# Altium PCB PCB_CAR.PcbDoc (part 3 of 3) (continued)
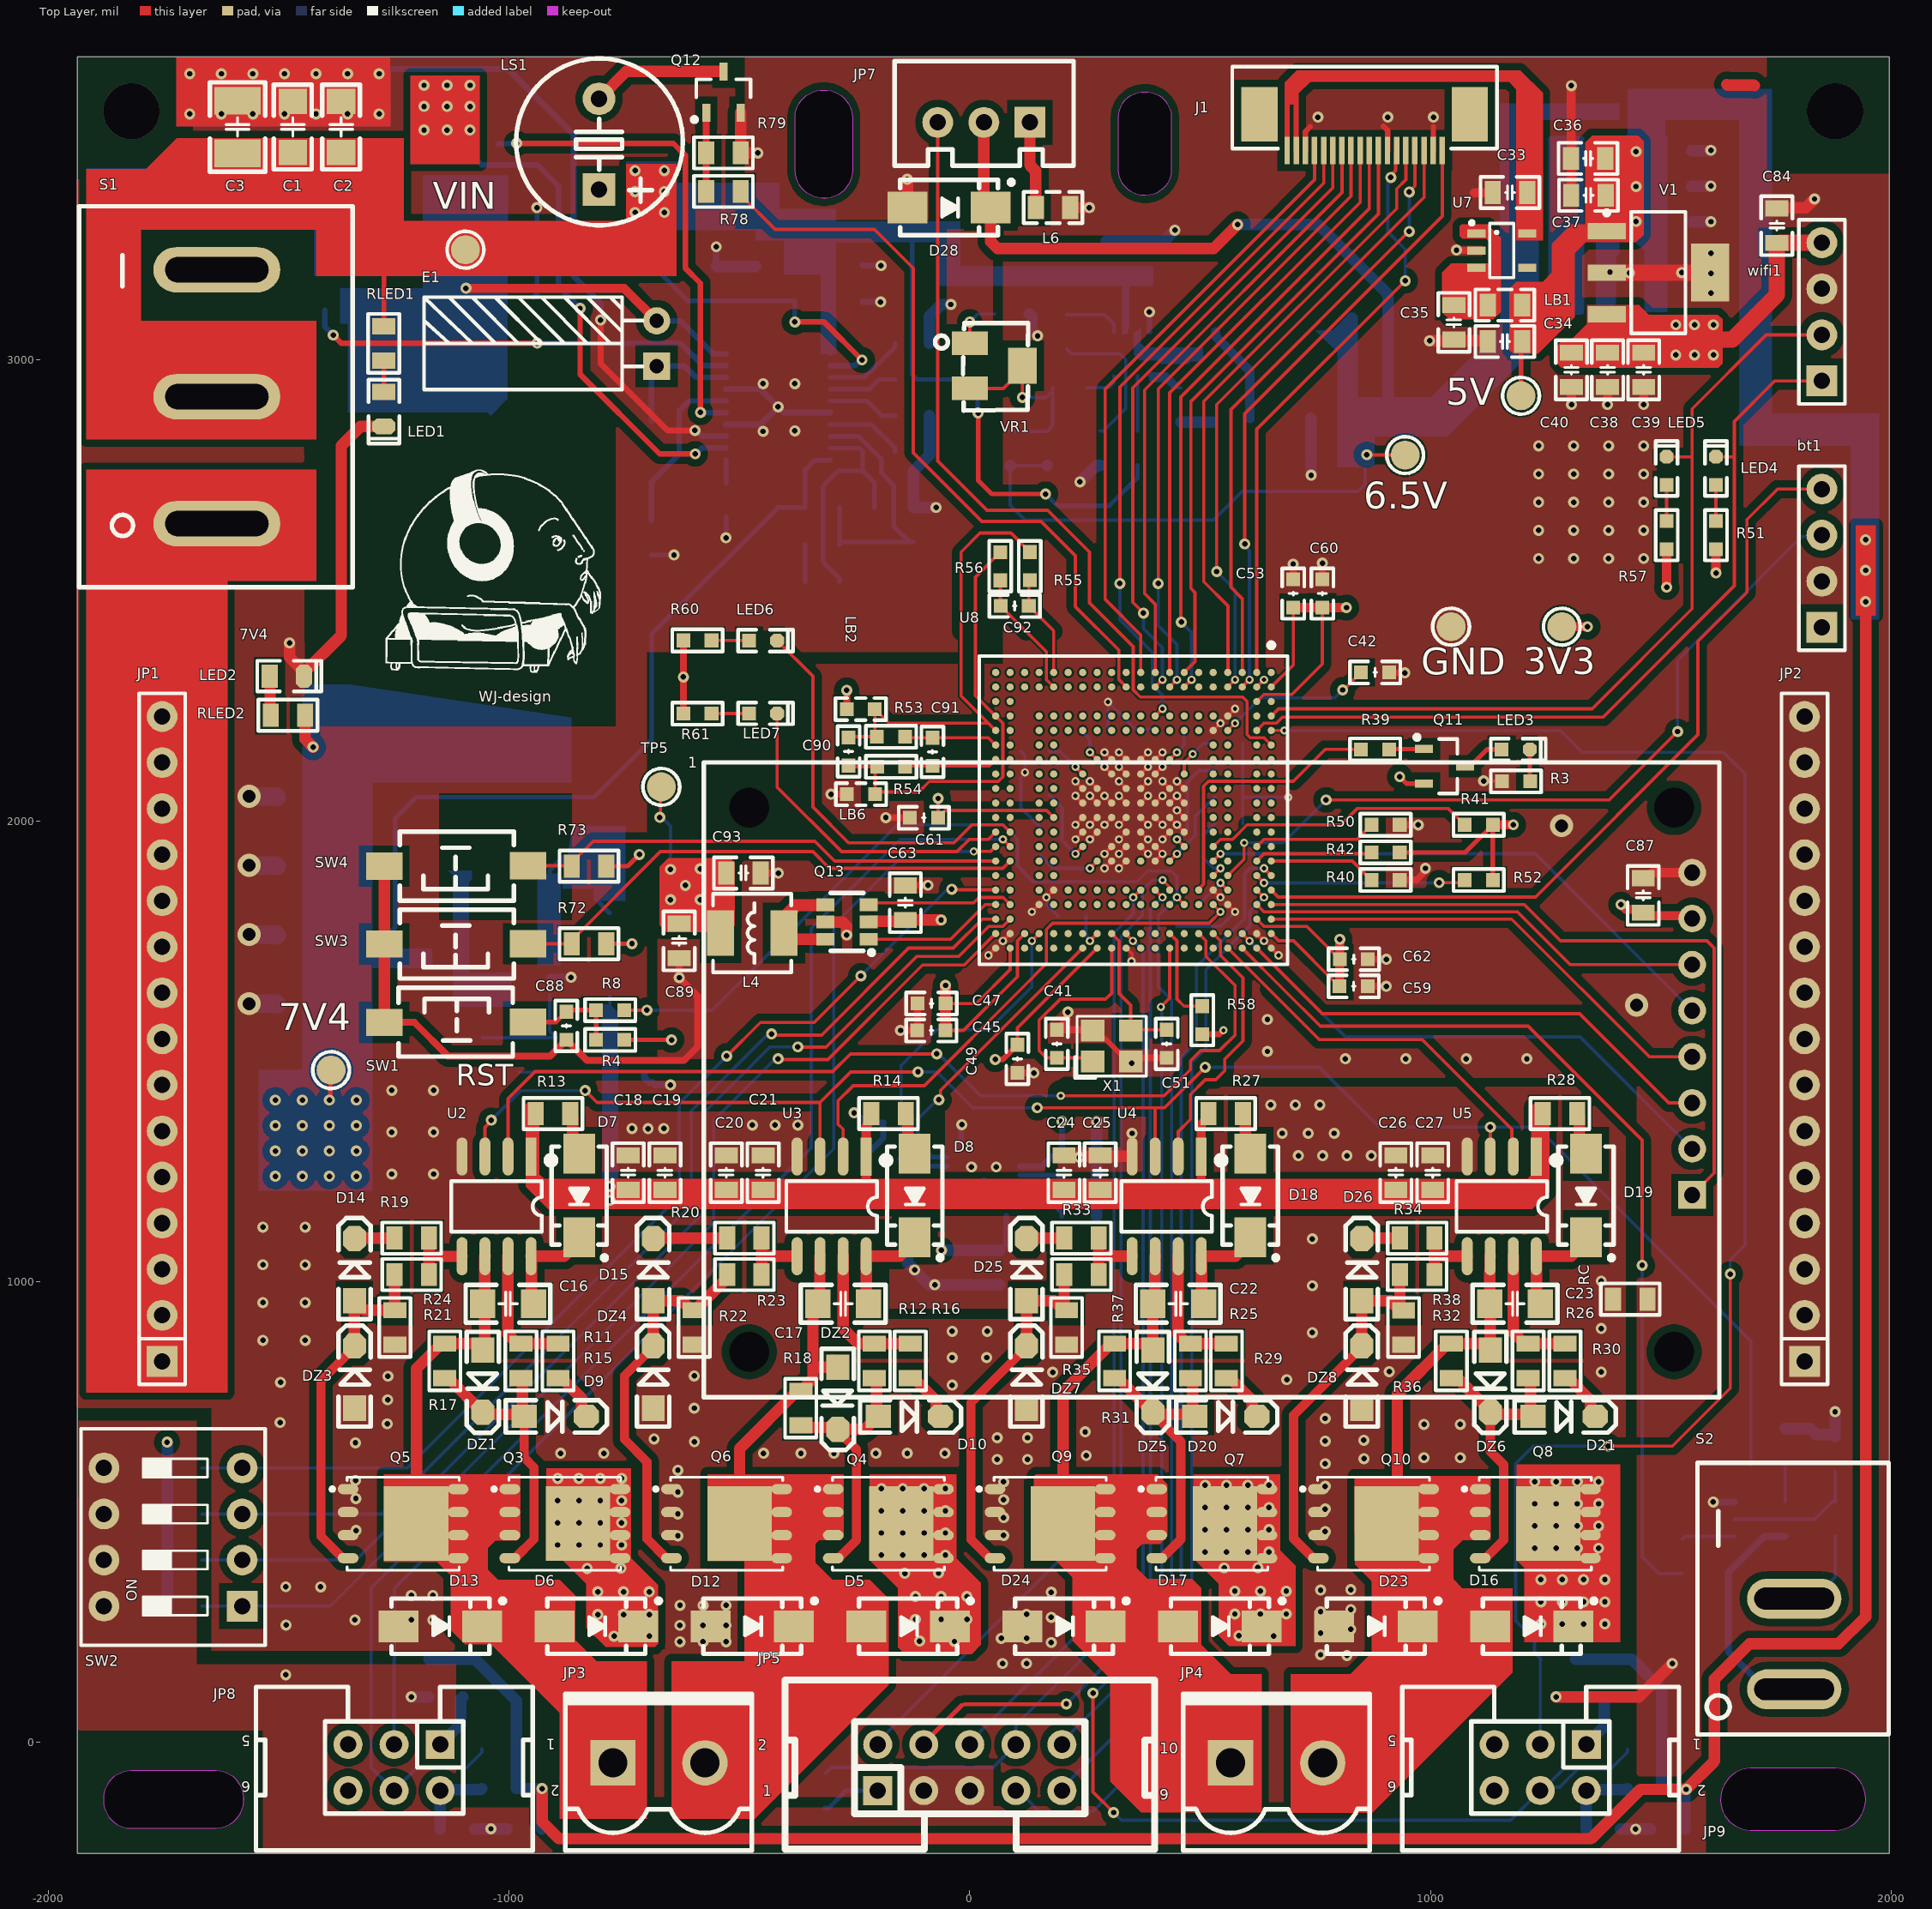
[diagram p0: Top Layer view]
## Nets (pads, with @x,y where several pads share a name; then routed paths per layer and width w, separated by ;. In a path a pad name is that pad's centre, name@x,y a point inside that pad or via, vN(x,y) a via of type N, cw(c..) or ccw(c..) an arc to the next point about the centre after c; other vN are vias at no path point) (continued)
TCK: JP5.4 U8.J16 | length 2546.8
  Top Layer w7: v1@209.57,81 -13.38,81 ; v1(209.57,82.62) -11.76,82.62 -13.38,81 ; U8.J16@402.5,1849.53 v2(418.25,1833.78) ; -13.38,81 -19,81 -100,0 -94.38,0 -13.38,81
  Bottom Layer w7: v1(209.57,82.62) 392.14,265.19 392.14,1807.67 v2(418.25,1833.78)
TMS: JP5.2 U8.K16 | length 2086.3
  Top Layer w7: v2(354.75,1833.78) 355,1833.78 370.75,1849.53 U8.K16@371,1849.53
  Bottom Layer w7: JP5.2@-200,0 313.28,513.28 313.28,1756.64 354.75,1798.11 v2(354.75,1833.78)
TRST: JP5.8 R49.1 U8.L19 | length 2330.9
  Top Layer w7: U8.L19@338.25,1755.04 v2(354,1739.29)
  Bottom Layer w7: R49.1@-314,-68.6 -300.85,-55.45 50.17,-55.45 JP5.8@100,-5.62 100,37.36 376.24,313.61 376.24,1634.8 376.24,1717.05 v2(354,1739.29)
VAGND1: C91.1 R54.1 U8.Y7 | length 202.7
  Top Layer w7: R54.1@-140.17,2117.24 -138.35,2119.06 C91.1@-81.26,2119.06 42.1,2119.06 U8.Y7@56.04,2132.99
VAGND2: C92.1 R56.1 U8.T2 | length 279.5
  Top Layer w7: R56.1@66.1,2522 66.1,2466.99 122.38,2410.71 166.28,2366.81 166.28,2306.22 U8.T2@182.02,2290.47
VAREF1: C91.2 R53.2 U8.Y6 | length 203.9
  Top Layer w7: R53.2@-140.43,2182.4 -138.26,2180.24 C91.2@-81.26,2180.24 40.29,2180.24 U8.Y6@56.04,2164.49
VAREF2: C92.2 R55.2 U8.T1 | length 223.6
  Top Layer w7: R55.2@130.37,2522.21 128,2519.83 C92.2@128,2466.27 182.02,2412.25 182.02,2410.71 U8.T1@182.02,2321.97
Vbat: JP1.1 JP1.2 JP1.3 JP1.4 JP1.5 JP1.6 JP1.7 JP1.8 JP1.9 JP1.10 JP1.11 JP1.12 JP1.13 JP1.14 JP1.15 S1.1 | length 2911.4
  Top Layer w10: JP1.2@-1753.64,926.43 JP1.1@-1753.64,826.43 JP1.2@-1753.64,926.43 ; JP1.2@-1753.64,926.43 JP1.3@-1753.64,1026.43 ; JP1.2@-1753.64,926.43 JP1.3@-1753.64,1026.43 ; JP1.3@-1753.64,1026.43 JP1.4@-1753.64,1126.43 ; JP1.3@-1753.64,1026.43 JP1.4@-1753.64,1126.43 ; JP1.4@-1753.64,1126.43 JP1.5@-1753.64,1226.43 ; JP1.4@-1753.64,1126.43 JP1.5@-1753.64,1226.43 ; JP1.5@-1753.64,1226.43 JP1.6@-1753.64,1326.43 JP1.7@-1753.64,1426.43 JP1.8@-1753.64,1526.43 JP1.9@-1753.64,1626.43 JP1.10@-1753.64,1726.43 JP1.11@-1753.64,1826.43 JP1.12@-1753.64,1926.43 JP1.13@-1753.64,2026.43 JP1.14@-1753.64,2126.43 ; JP1.14@-1753.64,2126.43 JP1.15@-1753.64,2226.43 ; JP1.14@-1753.64,2126.43 JP1.15@-1753.64,2226.43 ; JP1.15@-1753.64,2226.43 -1753.64,2591.16 ; JP1.15@-1753.64,2226.43 -1753.64,2591.16 ; -1753.64,2591.16 S1.1@-1699.69,2645.11 ; -1753.64,2591.16 S1.1@-1699.69,2645.11 ; S1.1@-1699.69,2645.11 S1.1@-1635.03,2645.11 S1.1@-1699.69,2645.11
VCC3V3_CA: C33.1 J1.17 J1.18 U7.5 | length 279.3
  Top Layer w7: 689,3571 708.8,3590.8
  Top Layer w11: J1.18@689,3455.26 689,3571 ; J1.17@708.8,3455.26 708.8,3590.8
VCC_5V: C35.1 LB1.2 U7.1 U7.3
VDDM: C90.2 LB2.2 R53.1 R55.1 U8.Y5 | length 985.8
  Top Layer w7: C90.2@-263.28,2180.92 -261.8,2182.4 R53.1@-201.61,2182.4 -206.26,2187.05 LB2.2@-206.26,2242.45 -175.54,2211.73 40.29,2211.73 ; U8.Y5@56.04,2195.98 40.29,2211.73 ; R55.1@130.37,2583.39 R55.1@130.37,2583.39 118.87,2594.89 118.87,2594.94 89.19,2624.62 22.04,2624.62 -19.16,2583.42 -19.16,2410.71 -19.16,2271.19 40.29,2211.73
VIN: C1.2 C2.2 C3.2 C6.2 C7.2 C66.1 C67.1 D1.2 DR1.1 Q1.5 Q1.6 Q1.7 Q1.8 Q1.9 R1.2 R2.2 R74.2 RLED1.2 S1.2 U1.1 U10.2 VIN.1 | length 2852.4
  Top Layer w10: -1275,3438 -1274,3438 ; -1274,3242.5 -1272.29,3240.79 RLED1.2@-1272.29,3073.74 ; v1(17.88,2885.11) 17.88,2739 47.47,2709.41 v1(164.39,2709.41)
  Bottom Layer w10: S1.2@-1635.03,2920.7 -1699.69,2920.7 -1740.53,2961.55 -1740.53,2984.53 -1835.86,3079.86 -1835.86,3088.14 -1833,3091 -1833,3321.6 -1751.6,3403 -1602.77,3403 DR1.1@-1590.03,3415.74 -1496.12,3415.74 -1336.36,3255.98 Q1.9@-1325.34,3255.98 ; R2.2@-380.03,3203.69 -310.03,3203.69 C7.2@-307.43,3206.29 -303.19,3202.05 U1.1@-303.19,3013.89 ; -125.15,3279.98 -125.15,2968.81 -114.3,2957.96 R1.2@-87.63,2957.96 -21.38,2957.96 16.76,2919.81 16.76,2886.23 v1(17.88,2885.11) ; v1(164.39,2709.41) 189.97,2683.84 302.84,2683.84 363.96,2744.96 R74.2@363.97,2771.6 ; C67.1@296.45,3184 297.76,3185.31 335.57,3185.31 ; U10.2@338.39,3061.37 338.39,3182.49 335.57,3185.31 ; C66.1@373.38,3185.31 335.57,3185.31
  other v1: -726.85,3320.59 -663.16,3320.59 -726.85,3366.13 -663.16,3366.13 -726.85,3411.68 -663.16,3411.68
VOUT: 7V4.1 C8.1 C9.1 C10.1 C11.1 C31.1 D5.2 D6.2 D16.2 D17.2 L1.2 L3.1 Q3.5 Q3.6 Q3.7 Q3.8 Q3.9 Q4.5 Q4.6 Q4.7 Q4.8 Q4.9 Q7.5 Q7.6 Q7.7 Q7.8 Q7.9 Q8.5 Q8.6 Q8.7 Q8.8 Q8.9 RFB1.1 RLED2.2 U1.10 | length 2052.8
  Top Layer w10: v1(-1390.51,1393.5) -1388.71,1395.3 -1388.71,1456.85 7V4.1@-1386.92,1458.65
  Top Layer w25: RLED2.2@-1443.2,2229 -1443.2,2177.2 v1(-1426,2160)
  Bottom Layer w10: C11.1@-1390.94,1751.43 -1264.85,1751.43 -1248,1768.28 -1248,2005 -1201.57,2051.43 -815.42,2051.43 -690.7,2176.14 -690.7,2405.82 -416.42,2680.1 RFB1.1@-357.65,2680.1 -357.65,2762.02 -336.76,2782.91 -303.86,2782.91 U1.10@-303.19,2783.58 ; C31.1@-1253.16,1696.27 -1180.59,1696.27 L3.1@-1179.88,1696.98
  other v1: -33.42,218.27 -109.11,219.07 -772.47,229.75 -695.95,229.75 584.25,230.74 659.94,229.94 1239.99,256.1 1286.27,256.1 1332.55,256.1 1378.83,256.1 -117.99,266.24 -62.31,266.24 -6.3,266.24 -807.64,276.64 -751.95,276.64 -695.95,276.64 575.36,277.91 631.05,277.91 687.06,277.91 1239.99,304.27 1286.27,304.27 1332.55,304.27 1378.83,304.27 -117.99,315.73 -62.31,315.73 -6.3,315.73 -807.64,326.14 -751.95,326.14 -695.95,326.14 575.36,327.4 631.05,327.4 687.06,327.4 1239.99,352.43 1286.27,352.43 1332.55,352.43 1378.83,352.43 -141.11,366.21 -67.85,366.86 -830.76,376.61 -757.49,377.26 552.24,377.88 625.51,378.53 -191.84,405.65 -145.56,405.65 -99.28,405.65 -53,405.65 510.96,412.75 557.24,412.75 603.52,412.75 649.8,412.75 1226.53,420.84 1272.81,420.84 1319.09,420.84 1365.37,420.84 -894.92,427.79 -848.64,427.79 -802.36,427.79 -756.08,427.79 -191.84,453.82 -145.56,453.82 -99.28,453.82 -53,453.82 510.96,460.92 557.24,460.92 603.52,460.92 649.8,460.92 1226.53,469.01 1272.81,469.01 1319.09,469.01 1365.37,469.01 -894.92,475.95 -848.64,475.95 -802.36,475.95 -756.08,475.95 -191.84,501.98 -145.56,501.98 -99.28,501.98 -53,501.98 510.96,509.08 557.24,509.08 603.52,509.08 649.8,509.08 1226.53,517.17 1272.81,517.17 1319.09,517.17 1365.37,517.17 -894.92,524.12 -848.64,524.12 -802.36,524.12 -756.08,524.12 -191.84,550.15 -145.56,550.15 -99.28,550.15 -53,550.15 510.96,557.25 557.24,557.25 603.52,557.25 649.8,557.25 1226.53,565.34 1272.81,565.34 1319.09,565.34 1365.37,565.34 -894.92,572.28 -848.64,572.28 -802.36,572.28 -756.08,572.28 -1507.71,1228.11 -1449.11,1228.11 -1390.51,1228.11 -1331.91,1228.11 -1507.71,1283.15 -1449.11,1283.15 -1390.51,1283.15 -1331.91,1283.15 -1507.71,1338.19 -1449.11,1338.19 -1390.51,1338.19 -1331.91,1338.19 -1507.71,1393.5 -1449.11,1393.5 -1331.91,1393.5
VSSM: C90.1 LB6.1 R54.2 R56.2 U8.Y4 | length 952.4
  Top Layer w7: C90.1@-263.28,2119.74 -260.78,2117.24 R54.2@-201.35,2117.24 -205.67,2112.92 LB6.1@-205.67,2057.64 -200.69,2062.62 -110.51,2062.62 -87.75,2085.37 61.66,2085.37 71.79,2095.5 71.79,2211.73 U8.Y4@56.04,2227.48 12,2271.52 12,2529.08 R56.2@66.1,2583.18
pads on no net: 1.29 IC1.6 J1.0 JP8.5 JP8.6 JP9.5 JP9.6 S1.3 U7.4 U8.A1 U8.G16 U8.K14 U8.L4 U8.L5 U8.M1 U8.M2 U8.M4 U8.M5 U8.N1 U8.N2 U8.N4 U8.N5 U8.P1 U8.P2 U8.P4 U8.P5 U8.R1 U8.R2 U8.R4 U8.R5 U8.T4 U8.T5 U8.T6 U8.T7 U8.T8 U8.T9 U8.T10 U8.U1 U8.U2 U8.U4 U8.U5 U8.U6 U8.U7 U8.U8 U8.U9 U8.U10 U8.V1 U8.V2 U8.W1 U8.W2 U8.W3 U8.W4 U8.W5 U8.W6 U8.W7 U8.W8 U8.W9 U8.Y1 U8.Y2 U8.Y3 U8.Y8 U8.Y9 U11.2 U11.3 U11.4 U11.5 U11.6 U11.7 U11.12 U11.14 U11.15 U11.16 U11.17 U11.18 U11.19 U11.21 U11.22
copper on no net: | length 119.9
  Top Layer w25: 1645.12,3597.47 1644,3598.59 1645.12,3597.47 ; 1645.12,3597.47 1701.88,3597.47 ; 1645.12,3597.47 1701.88,3597.47 ; 1701.88,3597.47 1703,3596.35 1701.88,3597.47
  other v4: -1820,3540 1878.73,3540.06

## Polygon pours and split planes (outlines as drawn)
PGND on Bottom Layer "PGND_L04_P004" (solid, remove dead copper, pour order 4): -1936.24,724.75 -1646,724.75 -1646,198.22 -1090.73,198.22 -1090.73,-119.57 -159.94,-119.57 -159.94,-48.26 62,-48.26 62,-130.66 1424,-130.66 1424,1422.35 327.63,1422.35 327.63,1291.39 191.54,1291.39 191.54,918 -205.67,918 -205.67,1135.99 -77.82,1135.99 -77.82,1455.42 -701,1455.42 -701,2366.81 49.49,2366.81 49.49,3284 -510,3284 -510,3658 -1939.46,3658 -1939.46,725.61 -1938.39,724.55
CORE_GND on Bottom Layer "CORE_GND_L04_P001" (solid, remove dead copper, pour order 1): -1934.56,697.27 -1679,697.27 -1679,168.46 -1115.2,168.46 -1115.2,-142.87 -151,-142.87 -151,-51.66 51.24,-51.66 51.24,-139.6 1448,-139.6 1448,1441.71 300.14,1441.71 300.14,1308.07 198.32,1308.07 166.64,1276.38 166.64,941.04 -174.65,941.04 -174.65,1108 -53.13,1108 -53.13,1483.32 -677.81,1483.32 -677.81,2340 71.79,2340 71.79,3304.79 -488.17,3304.79 -488.17,3657.83 -488,3658 1996.01,3658 1996.93,3657.08 1996.93,-239.98 -1936.52,-239.98 -1937.93,-241.39
CORE_GND on Top Layer "CORE_GND_L01_P000" (solid, remove dead copper, pour order 0): -1934.56,697.27 -1679,697.27 -1679,168.46 -1115.2,168.46 -1115.2,-142.87 -151,-142.87 -151,-51.66 51.24,-51.66 51.24,-139.6 1448,-139.6 1448,1441.71 300.14,1441.71 300.14,1308.07 198.32,1308.07 166.64,1276.38 166.64,941.04 -174.65,941.04 -174.65,1108 -53.13,1108 -53.13,1483.32 -677.81,1483.32 -677.81,2340 71.79,2340 71.79,3304.79 -488.17,3304.79 -488.17,3657.83 -488,3658 1996.01,3658 1996.93,3657.08 1996.93,-239.98 -1936.52,-239.98 -1937.93,-241.39
PGND on Top Layer "PGND_L01_P003" (solid, remove dead copper, pour order 3): -1936.24,724.75 -1646,724.75 -1646,198.22 -1090.73,198.22 -1090.73,-119.57 -159.94,-119.57 -159.94,-48.26 62,-48.26 62,-130.66 1424,-130.66 1424,1422.35 327.63,1422.35 327.63,1291.39 191.54,1291.39 191.54,918 -205.67,918 -205.67,1135.99 -77.82,1135.99 -77.82,1455.42 -701,1455.42 -701,2366.81 49.49,2366.81 49.49,3284 -510,3284 -510,3658 -1939.46,3658 -1939.46,725.61 -1938.39,724.55
3.3V on PWR (split plane): 1976.76,2656.1 1917,2656.1 1915.05,2655.71 1913.4,2654.6 1898.4,2639.6 1897.29,2637.95 1896.9,2636 1897.29,2634.05 1898.4,2632.4 1900.05,2631.29 1902,2630.9 1903.95,2631.29 1905.6,2632.4 1919.11,2645.9 1976.76,2645.9 1976.76,-221.72 -1015.9,-221.72 -1015.9,40.9 -902.1,40.9 -902.1,-181 -901.71,-182.95 -900.6,-184.6 -898.95,-185.71 -897,-186.1 1167,-186.1 1168.95,-185.71 1170.6,-184.6 1171.71,-182.95 1172.1,-181 1172.1,168.9 1453,168.9 1454.95,169.29 1456.6,170.4 1457.71,172.05 1458.1,174 1458.1,600.9 1875,600.9 1876.95,601.29 1878.6,602.4 1879.71,604.05 1880.1,606 1879.71,607.95 1878.6,609.6 1876.95,610.71 1875,611.1 -1272.9,611.1 -1272.9,1457 -1273.29,1458.95 -1274.4,1460.6 -1276.05,1461.71 -1278,1462.1 -1545,1462.1 -1546.95,1461.71 -1548.6,1460.6 -1549.71,1458.95 -1550.1,1457 -1550.1,174 -1549.71,172.05 -1548.6,170.4 -1546.95,169.29 -1545,168.9 1161.9,168.9 1161.9,-175.9 -891.9,-175.9 -891.9,46 -892.29,47.95 -893.4,49.6 -895.05,50.71 -897,51.1 -1021,51.1 -1022.95,50.71 -1024.6,49.6 -1025.71,47.95 -1026.1,46 -1026.1,-220.89 -1026.93,-221.72 -1918.04,-221.72 -1918.04,3638.08 1976.76,3638.08
VOUT on PWR (split plane): -1283.1,606 -1282.71,604.05 -1281.6,602.4 -1279.95,601.29 -1278,600.9 1447.9,600.9 1447.9,179.1 -1539.9,179.1 -1539.9,1451.9 -1283.1,1451.9
1.3V on PWR (split plane): 677.89,1715.1 18.62,1715.1 18.62,1813 18.23,1814.95 17.13,1816.6 15.48,1817.71 13.52,1818.1 -503,1818.1 -504.95,1817.71 -506.6,1816.6 -507.71,1814.95 -508.1,1813 -508.1,1779.1 -679.9,1779.1 -679.9,1959.39 36.82,1959.39 38.77,1959.78 40.43,1960.89 41.53,1962.54 41.92,1964.49 41.92,2343.9 677.89,2343.9
no net on PWR (split plane): -771.1,2212.1 -1441.9,2212.1 -1441.9,2878.9 -771.1,2878.9
no net on PWR (split plane): 797.9,2930.1 518.1,2930.1 518.1,3192.9 797.9,3192.9
PGND on GND (split plane): -493.1,3304 -492.71,3302.05 -491.6,3300.4 -489.95,3299.29 -488,3298.9 64.9,3298.9 64.9,2346.1 -678,2346.1 -679.95,2345.71 -681.6,2344.6 -682.71,2342.95 -683.1,2341 -683.1,1483.32 -682.71,1481.37 -681.6,1479.72 -679.95,1478.61 -678,1478.22 -58.03,1478.22 -58.03,1114.1 -175,1114.1 -176.95,1113.71 -178.6,1112.6 -179.71,1110.95 -180.1,1109 -180.1,940 -179.71,938.05 -178.6,936.4 -176.95,935.29 -175,934.9 166.28,934.9 168.23,935.29 169.88,936.4 170.99,938.05 171.37,940 171.37,1258.17 171.37,1301.9 300.14,1301.9 302.09,1302.29 303.74,1303.4 304.85,1305.05 305.24,1307 305.24,1435.9 1442.9,1435.9 1442.9,-136.9 55.1,-136.9 55.1,-52 54.71,-50.05 53.6,-48.4 51.95,-47.29 50,-46.9 -147,-46.9 -148.95,-47.29 -150.6,-48.4 -151.6,-49.4 -152.71,-51.05 -153.1,-53 -153.1,-136.9 -1109.9,-136.9 -1109.9,169 -1110.29,170.95 -1111.4,172.6 -1113.05,173.71 -1115,174.1 -1675.9,174.1 -1675.9,696 -1676.29,697.95 -1677.4,699.6 -1679.05,700.71 -1681,701.1 -1918.04,701.1 -1918.04,3638.08 -493.1,3638.08
CORE_GND on GND (split plane): 1976.76,-221.72 -1918.04,-221.72 -1918.04,690.9 -1686.1,690.9 -1686.1,169 -1685.71,167.05 -1684.6,165.4 -1682.95,164.29 -1681,163.9 -1120.1,163.9 -1120.1,-142 -1119.71,-143.95 -1118.6,-145.6 -1116.95,-146.71 -1115,-147.1 -148,-147.1 -146.05,-146.71 -144.4,-145.6 -143.29,-143.95 -142.9,-142 -142.9,-57.1 44.9,-57.1 44.9,-142 45.29,-143.95 46.4,-145.6 48.05,-146.71 50,-147.1 1448,-147.1 1449.95,-146.71 1451.6,-145.6 1452.71,-143.95 1453.1,-142 1453.1,1441 1452.71,1442.95 1451.6,1444.6 1449.95,1445.71 1448,1446.1 300.14,1446.1 298.19,1445.71 296.53,1444.6 295.43,1442.95 295.04,1441 295.04,1312.1 166.28,1312.1 164.32,1311.71 162.67,1310.6 161.57,1308.95 161.18,1307 161.18,1258.17 161.18,945.1 -169.9,945.1 -169.9,1103.9 -52.93,1103.9 -50.98,1104.29 -49.33,1105.4 -48.22,1107.05 -47.83,1109 -47.83,1483.32 -48.22,1485.27 -49.33,1486.93 -50.98,1488.03 -52.93,1488.42 -672.9,1488.42 -672.9,2335.9 70,2335.9 71.95,2336.29 73.6,2337.4 74.71,2339.05 75.1,2341 75.1,3304 74.71,3305.95 73.6,3307.6 71.95,3308.71 70,3309.1 -482.9,3309.1 -482.9,3638.08 1976.76,3638.08

## Other copper
Top Layer:
  region net +5V: 1924,2641 1967,2641 1967,2446 1924,2446
  region net 1.3V: -510.58,1909.53 -510.58,1772.21 -524.15,1758.64 -658.76,1758.64 -673.34,1773.22 -673.34,1900.38 -654.69,1919.02 -520.02,1919.02 -515,1914
  region net NetL4_1: -294.06,1803.79 -370.15,1803.79 -390.16,1783.78 -392.91,1786.54 -416.15,1786.54 -416.15,1796.01 -383.16,1828.99 -301.48,1828.99
  region net CORE_GND: 1404.57,3207.29 1618.96,3207.29 1625,3201.24 1624.5,3200.74 1624.5,3180 1594,3180 1586.86,3172.86 1406.84,3172.86
  region net VCC3V3_CA: 683.61,3555.71 683.61,3602.61 710,3629 1195,3629 1244,3580 1244,3438 1187,3438 1187,3588 1170.44,3604.56 739.56,3604.56 714.06,3579.06 714.06,3555.08
  region net 3.3V: 1340,3120 1340,3078.67 1301.57,3040.24 1284.75,3040.24 1275,3030.49 1275,2993 1284,2984 1625,2984 1634,2993 1634,3088.5 1624.5,3098 1474.52,3098 1451.94,3120.58
  region net VCC3V3_CA: 1187,3438 1244,3438 1244,3260.6 1187,3260.6
  region net VCC_5V: 1121.03,3264 1129.36,3255.67 1129.36,3206.92 1141.64,3206.92 1153,3195.56 1153,3265.78 1124.43,3294.35 1067.35,3294.35 1064,3291 1064,3269 1069,3264
  region net VCC_5V: 1138.56,3210 1045.4,3210 1025.86,3190.46 1025.86,3103.76 1041.12,3088.5 1136.5,3088.5 1153,3105 1153,3195.56
  region net +5V: 1344.8,3256.2 1337.2,3256.2 1313.62,3232.62 1313.62,3093.62 1234,3014 1180,3014 1172,3022 1172,3155 1187,3170 1244,3170 1264,3190 1264,3253 1305.35,3294.35 1368,3294.35
  region net +5V: 1451,3487 1463,3475 1463,3272.68 1446.52,3256.2 1344.8,3256.2 1336,3265 1336,3472 1351,3487
  region net NetC22_1: 408.12,581 429.22,559.9 429.22,446.61 412.61,430 374,430 362,418 362,378.01 386.36,353.65 482.69,353.65 502.42,333.92 502.42,211.58 567,147 633.54,147 633.54,-153.13 372.13,-153.13 305,-86 305,137.35 223,219.35 223,357.76 139.1,441.66 139.1,576.94 143.16,581
  region net VIN: -1419,3183 -1419,3283 -1800,3283 -1800,3085.5 -1419,3085.5 -1419,2828 -1918,2828 -1918,3415 -1789,3415 -1722,3482 -1229,3482 -1229,3183
  region net Vbat: -1419,2762 -1918,2762 -1918,759 -1612,759 -1612,2521 -1419,2521
  region net VIN: -1242,3302 -636.85,3302 -636.85,3183 -1273.75,3183 -1275,3184.25
  region net VIN: -636.85,3302 -636.85,3425.7 -745.77,3425.7 -745.77,3284
  region net NetQ2_1: -1064,3426 -1064,3617.62 -1214,3617.62 -1214,3426
  region net PGND: -1259,3627 -1258.5,3626.5 -1258.5,3508 -1722.67,3508 -1722.89,3508.22 -1722.89,3657.48 -1259.46,3657.48
  region net +15V: -924,1222 1210.32,1222 1218.87,1230.55 1218.87,1380.13 1227.22,1388.48 1227.55,1388.15 1244.25,1388.15 1244.25,1380.8 1257.93,1367.11 1257.93,1193.99 1221.25,1157.3 -915.3,1157.3 -964,1206 -964,1384.38 -960.03,1388.35 -959.66,1387.97 -937.66,1387.97 -937.66,1371.26 -930.98,1364.57 -934.69,1360.86 -934.69,1232.69
  region net NetC16_1: -1272,581 -976.43,581 -976.43,444.73 -983.77,437.4 -1029.82,437.4 -1046.45,420.77 -1046.45,373.78 -1024.88,352.21 -890.69,352.21 -857.14,318.66 -857.14,221.44 -810.7,175 -701,175 -701,-167 -890.69,-167 -890.69,63.69 -1039,212 -1096,212 -1127,243 -1127,361 -1157,391 -1272,391
  region net NetC17_1: -569.37,529.95 -569.37,581 -273.83,581 -273.83,445.14 -280.25,438.72 -326.83,438.72 -335.19,430.37 -335.19,389.19 -298.21,352.21 -216.96,352.21 -176,311.25 -176,124 -467,-167 -636,-167 -636,-161 -647.66,-149.34 -647.66,175 -489,175 -489,392.67 -568.22,392.67
  region net NetC23_1: 836,515 836,576.76 1130.84,576.76 1130.84,438.13 1069.97,438.13 1049.46,417.63 1049.46,353.65 1069.56,333.55 1177.92,333.55 1177.92,151.05 873.53,-153.33 697.03,-153.33 697.03,147 826.54,147 873.11,193.57 873.11,348.8 836.58,385.33 836.58,388.98
  region net VOUT: -736.09,594.1 -736.09,399.51 -677,340.42 -677,212.85 -683.59,206.26 -790.85,206.26 -832.63,248.04 -832.63,343.44 -919.56,430.38 -919.56,594.1
  region net VOUT: -217.25,581 -29.26,581 -29.26,398.87 24,345.61 24,210.86 4.09,190.95 -141.46,190.95 -156.25,205.73 -156.25,333.92 -216.96,394.63
  region net VOUT: 485.51,581 673.32,581 673.32,415.94 706.99,382.27 706.99,208.71 562.53,208.71 540.56,230.68 540.56,343.41 485.51,398.46
  region net VOUT: 1187.33,394.81 1187.33,602 1412,602 1412,217 1204.47,217 1204.47,377.67
  pour cut-out: -1446,2887 -768.4,2887 -768.4,2204.84 -1443.77,2204.84
  pour cut-out: -1152.84,2059.79 -863.52,2059.79 -863.52,1783.78 -1152.54,1783.78
  pour cut-out: 1997,13 1598,13 1598,-239.98 1996.93,-239.98 1996.95,-240 1997,-240
  pour cut-out: 1996.61,3657.41 1730.52,3657.41 1730.52,3404.42 1996.54,3404.42 1996.55,3404.41 1996.61,3404.41
  pour cut-out: -1937.93,24.69 -1937.93,-241.39 -1534.72,-241.39 -1534.72,24.69
  pour cut-out: -1939.46,3658 -1939.46,3391.91 -1686.47,3391.91 -1686.47,3657.93 -1686.46,3657.95 -1686.46,3658
Bottom Layer:
  region net NetD27_1: -885.1,1852.95 -815.66,1852.95 -815.66,1826.77 -748.15,1826.77 -748.15,1988.68 -862.42,1988.68
  region net CORE_GND: 1409.86,3474.38 1409.86,3230.86 1401,3222 1402.12,3220.88 1402.12,3123.53 1385.79,3107.21 1360,3107.21 1360,3481.38
  pour cut-out: 1598,-242.42 1996.37,-242.42 1996.37,10.56 1730.35,10.56 1730.33,10.58 1598,10.58
  region net VOUT: -1449,1197 -1544,1197 -1544,1459 -1415,1459
  region net VIN: -1472,3072 -1472,2840 -1917,2840 -1917,3417 -1779.35,3417 -1722.35,3474 -1238.77,3474 -1238.77,3183.87 -1423.5,3183.87 -1423.5,3286.09 -1802,3286.09 -1802,3072 -1576,3072
  region net Vbat: -1419,2762 -1918,2762 -1918,759 -1612,759 -1612,2521 -1419,2521
  region net NetC5_2: -1003.56,3160.73 -1003.56,2916.73 -1040.66,2879.62 -1047.57,2886.53 -1350.34,2886.53 -1350.34,3079.86 -1350.48,3080 -1367,3080 -1367,3156 -1187,3156 -1187,3400.65 -1003,3400.65 -1003,3255.98
  region net VIN: -746.38,3431.08 -746.38,3282.18 -635.22,3282.18 -635.22,3431.08
  region net VIN: -290.39,3189.56 -290.39,3328.32 -642.3,3328.32 -642.3,3289.26 -635.22,3282.18 -403.51,3282.18 -403.51,3186.68 -323.28,3186.68 -323.28,3108.71 -322.8,3108.23 -323.28,3107.76 -323.28,3013.89 -290.26,3013.89
  region net VIN: -642,3385 -414,3385 -414,3299 -659,3299 -661,3301
  region net VIN: -465,3299 -465,3260.11 -380.03,3260.11 -380.03,3289.26
  region net VIN: -69.61,3161.09 -69.61,3255.98 -350.19,3255.98 -322.91,3301 -21.24,3301 -21.24,3203.69 397.95,3203.69 397.95,3165.63 393.41,3161.09
  region net VIN: 345.8,3069.54 345.8,3168 331.44,3182.37 312.7,3182.37 331.44,3163.63 331.44,3054.55
  region net NetQ2_1: -1064,3426 -1064,3617.62 -1214,3617.62 -1214,3426
  region net PGND: -1259,3627 -1258.5,3626.5 -1258.5,3508 -1722.67,3508 -1722.89,3508.22 -1722.89,3657.48 -1259.46,3657.48
  region net NetR75_1: 389.25,2973.07 428.92,2973.07 450.88,2951.11 443.68,2943.9 443.68,2939.44 437.27,2939.44 424.13,2952.58 390.18,2952.58
  region net NetC68_2: 370.99,3070.66 370.99,3037.07 380.98,3027.08 506.23,3027.08 506,3026.85 506,2998 480.15,2998 474.52,2992.37 416.14,2992.37 409.42,2999.09 368.81,2999.09 356.61,3011.28 356.61,3059.37
  region net +6.5V: 878,2919.04 842,2919.04 842,3095.11 834.48,3102.63 825.37,3102.63 787.75,3065.01 749.99,3065.01 798.14,3016.86 798.14,2768.47 798.67,2768.99 878,2768.99
  region net NetC79_2: 1270.89,3236.23 1270.89,3482 1325,3482 1325,3109.09 1278,3109.09
  region net +5V: 1470,3191 1470,3480 1510,3480 1510,3107 1480,3107
  region net VOUT: -1344.98,2295.58 -1449,2295.58 -1449,1197 -1297,1197 -1297,2083 -865,2083 -865,2223.82
  region net VOUT: -1169,1722 -1327,1722 -1336,1713 -1333,1710 -1333,1687 -1311,1687 -1304,1680 -1167,1680 -1166,1681
  region net NetC32_1: -1121.79,1596.24 -1121.79,1881.1 -1132.44,1891.75 -1081,1891.75 -1081,1873.88 -1088,1866.88 -1088,1669.68 -995.95,1669.68 -995.95,1596.24
  region net NetD27_1: -888.34,1687 -888.34,1867.99 -882.44,1873.88 -893.56,1885 -939,1885 -939,1687
  region net +15V: -763.99,1426.43 -763.99,1583.86 -781.56,1601.43 -808.2,1601.43 -808.2,1597.76 -798.33,1587.89 -798.33,1431.26 -793.5,1426.43
  region net +15V: -763.99,1426.43 -763.99,1157.3 -798.33,1157.3 -798.33,1431.26
  region net +5V: 1510,3480 1429,3480 1429,3270 1507,3270
  region net +5V: 1429,3480 1429,3589 1741,3589 1741,2884 1974,2884 1974,2437 1913,2437 1913,2814 1671,2814 1671,3522 1510,3522 1510,3434.36 1507,3431.36
  region net +6.5V: 878,2919.04 1002.04,2919.04 1151,3068 1151,3557 1409.55,3557 1410,3556.55 1410,3522 1235,3522 1235,3033 1037,2835 815.95,2835
  pour cut-out: -1446,2887 -768.4,2887 -768.4,2204.84 -1443.77,2204.84
  pour cut-out: 513,3202 801.58,3202 801.58,2889.91 768.67,2922.82 513.7,2922.82 513.7,3175.84
  pour cut-out: -1152.84,2059.79 -863.52,2059.79 -863.52,1783.78 -1152.54,1783.78
  region net NetC16_1: -806.47,121.85 -806.47,-33.02 -796.04,-43.46 -739.74,-43.46 -739.74,96.6 -741.15,98
  region net NetC17_1: -625.71,79.06 -625.71,-46.31 -616.57,-55.45 -544.11,-55.45 -539.29,-50.63 -539.29,72.39
  region net NetC22_1: 533.55,107.15 533.55,-25.21 602.78,-94.44 619.47,-94.44 619.47,72.65
  region net NetC23_1: 714.38,76.2 714.38,-54.33 735.35,-75.3 797.13,-75.3 797.13,-46.83 804.67,-39.29 800.51,-35.13 800.51,94.54
  pour cut-out: -1534.72,-241 -1534.72,25.09 -1938.53,25.09 -1938.53,-240.93 -1938.54,-240.95 -1938.54,-241
  pour cut-out: 1995.91,3657.73 1729.82,3657.73 1729.82,3404.75 1995.84,3404.75 1995.86,3404.73 1995.91,3404.73
  pour cut-out: -1938.22,3657.51 -1938.22,3391.42 -1685.24,3391.42 -1685.24,3657.44 -1685.22,3657.46 -1685.22,3657.51
  region net NetC79_2: 1334,3482 1334,3103.07 1329.96,3099.03 1261.35,3099.03 1256.62,3103.77 1256.62,3482.62 1260,3486 1330,3486
  region net +5V: 1514,3484 1504,3494 1432,3494 1424,3486 1424,3277.52 1465,3236.52 1465,3107 1467,3105 1514,3105
GND (plane layer: these items are gaps in the copper):
  lines w10: -1941,23 -1939,25 ; -1939,743 -1939,696 -1681,696 -1681,169 -1115,169 -1115,-142 -262,-142 -148,-142 -148,-53 -147,-52 50,-52 50,-142 270,-142 1448,-142 1448,1441 300.14,1441 300.14,1307 178.48,1307 166.28,1307 166.28,1258.17 166.28,940 -175,940 -175,1109 -52.93,1109 -52.93,1483.32 -678,1483.32 -678,2341 70,2341 70,3304 -488,3304 -488,3658 -550.6,3658 ; 822.3,2705.3 953.53,2705.3
PWR (plane layer: these items are gaps in the copper):
  lines w10: -1039,-241 -1021,-223 -1021,46 -897,46 -897,-181 -695,-181 1167,-181 1167,174 840,174 ; 1875,606 1453,606 ; 1902,2636 1917,2651 1997,2651 ; 1453,606 -1278,606 -1278,1457 -1545,1457 -1545,174 1453,174 1453,606 ; -1447,2207 -1447,2884 -766,2884 -766,2207 -1447,2207 ; -685,1774 -503,1774 -503,1813 -165,1813 13.52,1813 13.52,1710 120.68,1710 682.98,1710 682.98,2349 36.82,2349 36.82,1964.49 -685,1964.49 -685,1774 ; 513,2925 513,3198 803,3198 803,2925 513,2925

## Silkscreen, mask and mechanical layers (free items; w line width, h text height)
Top Overlay:
  drawing of 2561 lines, arcs and shapes, not listed
  text "7V4" at -1585.41,2385.43 h40
  text "WJ-design" at -1066,2250.46 h40
  text "RST" at -1115.23,1409.58 h80
Mechanical 1:
  lines w10: -1576.28,-124.96 ccw(c-1637.53,-123.71) -1636.28,-62.46 -1706.28,-62.46 -1821.28,-62.46 ccw(c-1820.03,-123.71) -1881.28,-124.96 ccw(c-1820.03,-126.21) -1821.28,-187.46 -1706.28,-187.46 ; -1576.28,-122.46 cw(c-1638.78,-124.96) -1636.28,-187.46 -1706.28,-187.46 ; -317.14,3351.43 ccw(c-315.89,3412.68) -254.64,3411.43 -254.64,3526.43 ccw(c-315.89,3525.18) -317.14,3586.43 ccw(c-318.39,3525.18) -379.64,3526.43 -379.64,3411.43 ; -314.63,3351.43 cw(c-317.14,3413.93) -379.64,3411.43 ; 380.04,3352.68 ccw(c381.29,3413.93) 442.54,3412.68 442.54,3527.68 ccw(c381.29,3526.43) 380.04,3587.68 ccw(c378.79,3526.43) 317.54,3527.68 317.54,3412.68 ; 382.54,3352.68 cw(c380.04,3415.18) 317.54,3412.68 ; 1635,-126.89 cw(c1697.5,-124.39) 1695,-61.89 1765,-61.89 ; 1635,-124.39 ccw(c1696.25,-125.64) 1695,-186.89 1765,-186.89 1880,-186.89 ccw(c1878.75,-125.64) 1940,-124.39 ccw(c1878.75,-123.14) 1880,-61.89 1765,-61.89 ; -1706.28,-187.46 -1706.28,-187.46 ; -379.64,3411.43 -379.64,3411.43 ; 317.54,3412.68 317.54,3412.68 ; 1765,-61.89 1765,-61.89 ; -1938.14,-241.82 1996.86,-241.82 1996.86,3658.18 -1938.14,3658.18 -1938.14,-241.82

## Text inside footprints (layer, text, board x,y; h text height)
JP5: Top Overlay "2" at -460,-25.62 h40; Top Overlay "1" at -450,-125.62 h40; Top Overlay "9" at 412,-133.62 h40; Top Overlay "10" at 412,-33.62 h40
JP8: Top Overlay "1" at -900,14.55 h40 r180; Top Overlay "2" at -890,-85.45 h40 r180; Top Overlay "6" at -1562,-77.45 h40 r180; Top Overlay "5" at -1562,22.55 h40 r180
JP9: Top Overlay "1" at 1588.58,14.55 h40 r180; Top Overlay "2" at 1598.58,-85.45 h40 r180; Top Overlay "6" at 926.58,-77.45 h40 r180; Top Overlay "5" at 926.58,22.55 h40 r180
SW2: Top Overlay "ON" at -1800,305 h40 r90